# Altium PCB NURIP.PcbDoc (part 3 of 14) (continued)
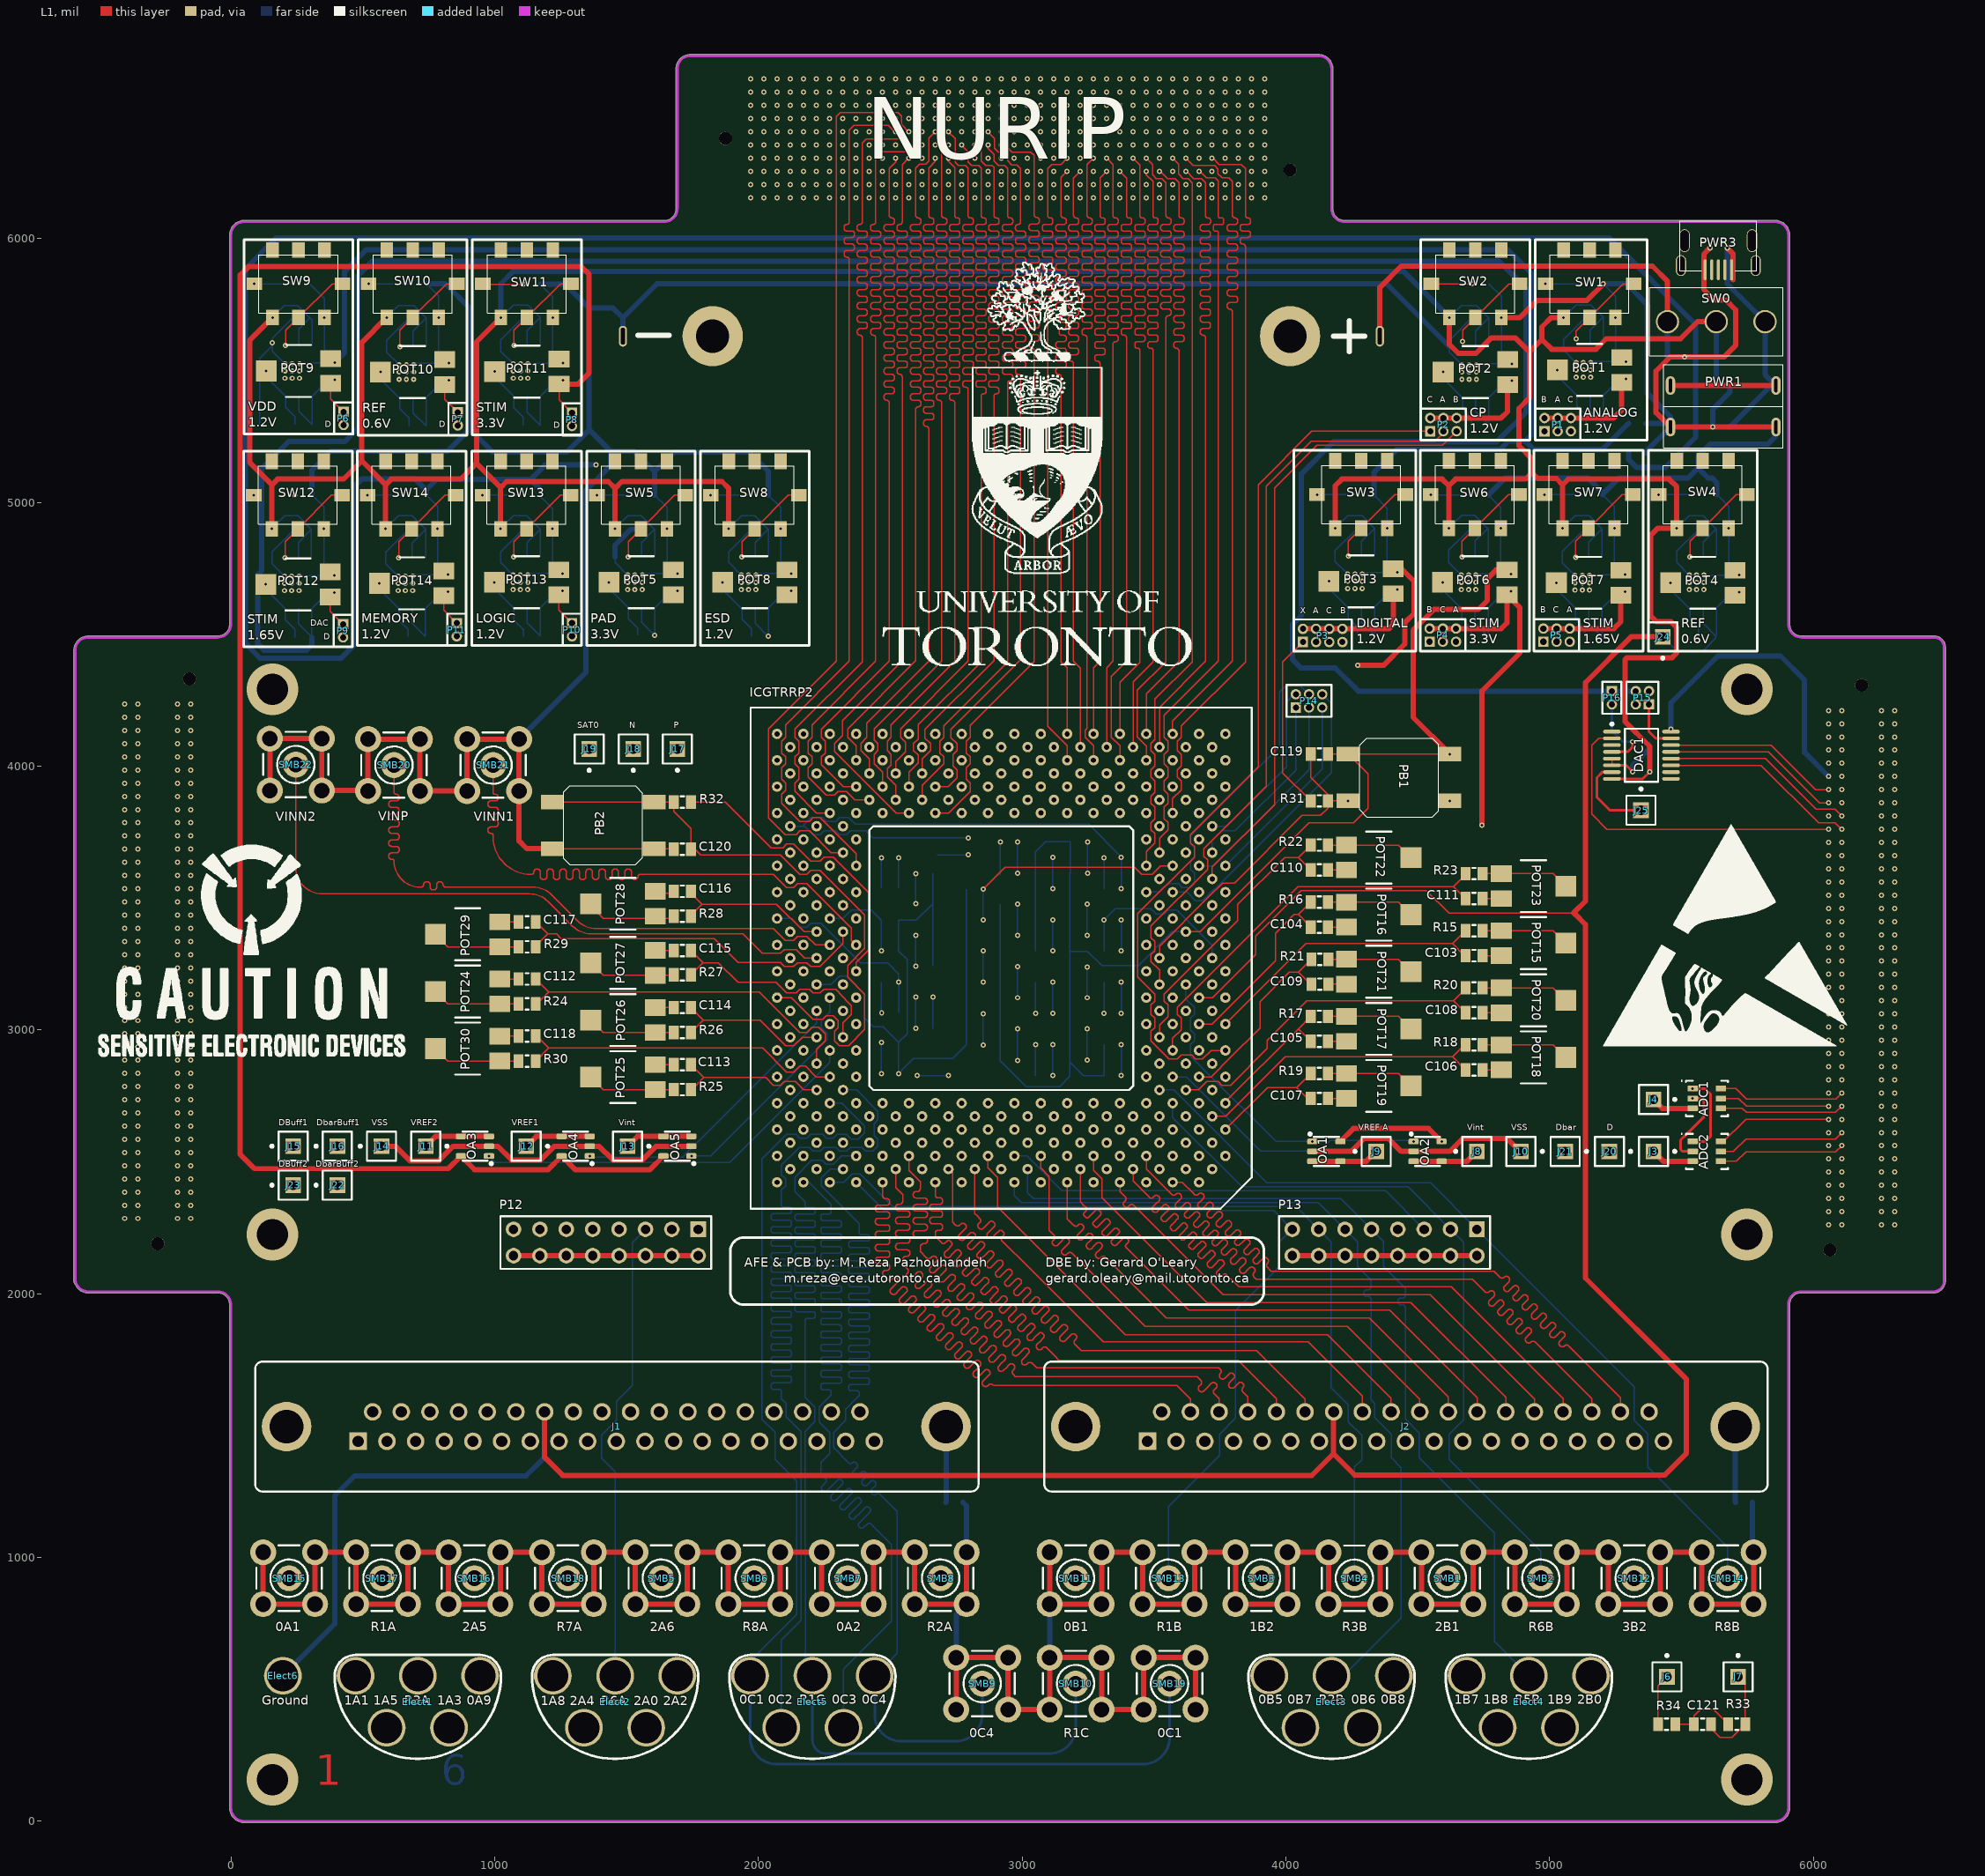
[diagram p0: L1 view]
## Nets (pads, with @x,y where several pads share a name; then routed paths per layer and width w, separated by ;. In a path a pad name is that pad's centre, name@x,y a point inside that pad or via, vN(x,y) a via of type N, cw(c..) or ccw(c..) an arc to the next point about the centre after c; other vN are vias at no path point) (continued)
0C3: Elect5.2 ICGTRRP2.A33 | length 4890.2
  L6 w5: ICGTRRP2.A33@2170.71,2422.2 2191.97,2422.2 2275.59,2338.58 2275.59,2326.24 2275.59,2310.19 cw(c2266.95,2310.19) 2266.95,2301.56 2244.86,2301.56 ccw(c2244.86,2292.92) 2236.22,2292.92 2236.22,2285.51 ccw(c2244.86,2285.51) 2244.86,2276.87 2275.59,2276.87 2306.32,2276.87 cw(c2306.32,2268.23) 2314.96,2268.23 2314.96,2260.82 cw(c2306.32,2260.82) 2306.32,2252.19 2275.59,2252.19 2244.86,2252.19 ccw(c2244.86,2243.55) 2236.22,2243.55 2236.22,2236.14 ccw(c2244.86,2236.14) 2244.86,2227.5 2275.59,2227.5 2306.32,2227.5 cw(c2306.32,2218.86) 2314.96,2218.86 2314.96,2211.45 cw(c2306.32,2211.45) 2306.32,2202.82 2275.59,2202.82 2244.86,2202.82 ccw(c2244.86,2194.18) 2236.22,2194.18 2236.22,2186.77 ccw(c2244.86,2186.77) 2244.86,2178.13 2275.59,2178.13 2306.32,2178.13 cw(c2306.32,2169.49) 2314.96,2169.49 2314.96,2162.08 cw(c2306.32,2162.08) 2306.32,2153.45 2275.59,2153.45 2244.86,2153.45 ccw(c2244.86,2144.81) 2236.22,2144.81 2236.22,2137.4 ccw(c2244.86,2137.4) 2244.86,2128.76 2275.59,2128.76 2306.32,2128.76 cw(c2306.32,2120.12) 2314.96,2120.12 2314.96,2112.71 cw(c2306.32,2112.71) 2306.32,2104.08 2275.59,2104.08 2244.86,2104.08 ccw(c2244.86,2095.44) 2236.22,2095.44 2236.22,2088.03 ccw(c2244.86,2088.03) 2244.86,2079.39 2275.59,2079.39 2306.32,2079.39 cw(c2306.32,2070.75) 2314.96,2070.75 2314.96,2063.34 cw(c2306.32,2063.34) 2306.32,2054.71 2275.59,2054.71 2244.86,2054.71 ccw(c2244.86,2046.07) 2236.22,2046.07 2236.22,2038.66 ccw(c2244.86,2038.66) 2244.86,2030.02 2275.59,2030.02 2306.32,2030.02 cw(c2306.32,2021.38) 2314.96,2021.38 2314.96,2013.97 cw(c2306.32,2013.97) 2306.32,2005.34 2275.59,2005.34 2244.86,2005.34 ccw(c2244.86,1996.7) 2236.22,1996.7 2236.22,1989.29 ccw(c2244.86,1989.29) 2244.86,1980.65 2275.59,1980.65 2306.32,1980.65 cw(c2306.32,1972.01) 2314.96,1972.01 2314.96,1964.6 cw(c2306.32,1964.6) 2306.32,1955.97 2275.59,1955.97 2244.86,1955.97 ccw(c2244.86,1947.33) 2236.22,1947.33 2236.22,1939.92 ccw(c2244.86,1939.92) 2244.86,1931.28 2275.59,1931.28 2306.32,1931.28 cw(c2306.32,1922.64) 2314.96,1922.64 2314.96,1915.23 cw(c2306.32,1915.23) 2306.32,1906.6 2275.59,1906.6 2244.86,1906.6 ccw(c2244.86,1897.96) 2236.22,1897.96 2236.22,1890.55 ccw(c2244.86,1890.55) 2244.86,1881.91 2275.59,1881.91 2306.32,1881.91 cw(c2306.32,1873.27) 2314.96,1873.27 2314.96,1865.86 cw(c2306.32,1865.86) 2306.32,1857.23 2275.59,1857.23 2244.86,1857.23 ccw(c2244.86,1848.59) 2236.22,1848.59 2236.22,1841.18 ccw(c2244.86,1841.18) 2244.86,1832.54 2275.59,1832.54 2306.32,1832.54 cw(c2306.32,1823.9) 2314.96,1823.9 2314.96,1816.49 cw(c2306.32,1816.49) 2306.32,1807.86 2275.59,1807.86 2244.86,1807.86 ccw(c2244.86,1799.22) 2236.22,1799.22 2236.22,1791.81 ccw(c2244.86,1791.81) 2244.86,1783.17 2275.59,1783.17 2306.32,1783.17 cw(c2306.32,1774.53) 2314.96,1774.53 2314.96,1767.12 cw(c2306.32,1767.12) 2306.32,1758.49 2275.59,1758.49 2244.86,1758.49 ccw(c2244.86,1749.85) 2236.22,1749.85 2236.22,1742.44 ccw(c2244.86,1742.44) 2244.86,1733.8 2275.59,1733.8 2306.32,1733.8 cw(c2306.32,1725.16) 2314.96,1725.16 2314.96,1717.75 cw(c2306.32,1717.75) 2306.32,1709.12 2275.59,1709.12 2244.86,1709.12 ccw(c2244.86,1700.48) 2236.22,1700.48 2236.22,1693.07 ccw(c2244.86,1693.07) 2244.86,1684.43 2275.59,1684.43 2306.32,1684.43 cw(c2306.32,1675.79) 2314.96,1675.79 2314.96,1668.38 cw(c2306.32,1668.38) 2306.32,1659.75 2275.59,1659.75 2244.86,1659.75 ccw(c2244.86,1651.11) 2236.22,1651.11 2236.22,1643.7 ccw(c2244.86,1643.7) 2244.86,1635.06 2266.95,1635.06 cw(c2266.95,1626.42) 2275.59,1626.42 2275.59,1615.89 2230.63,1570.93 2230.63,1513.46 2269.98,1474.11 2269.98,1393.7 2236.22,1359.94 2236.22,1316.93 2244.95,1308.2 2254.55,1298.6 cw(c2246.69,1290.75) 2254.55,1282.89 2242.42,1270.76 ccw(c2250.27,1262.91) 2242.42,1255.05 2244.16,1253.31 ccw(c2252.02,1261.16) 2259.87,1253.31 2279.86,1273.29 2299.84,1293.28 cw(c2307.7,1285.42) 2315.55,1293.28 2317.3,1291.53 cw(c2309.44,1283.68) 2317.3,1275.82 2297.31,1255.84 2277.33,1235.85 ccw(c2285.18,1228) 2277.33,1220.14 2279.07,1218.4 ccw(c2286.93,1226.25) 2294.78,1218.4 2314.77,1238.38 2334.75,1258.37 cw(c2342.61,1250.51) 2350.46,1258.37 2352.21,1256.62 cw(c2344.35,1248.77) 2352.21,1240.91 2332.22,1220.93 2312.24,1200.94 ccw(c2320.09,1193.09) 2312.24,1185.23 2313.98,1183.49 ccw(c2321.84,1191.34) 2329.69,1183.49 2349.68,1203.47 2369.66,1223.46 cw(c2377.52,1215.6) 2385.37,1223.46 2387.12,1221.71 cw(c2379.26,1213.86) 2387.12,1206 2367.13,1186.02 2347.15,1166.03 ccw(c2355,1158.18) 2347.15,1150.32 2348.89,1148.58 ccw(c2356.75,1156.43) 2364.6,1148.58 2384.59,1168.56 2404.57,1188.55 cw(c2412.43,1180.69) 2420.28,1188.55 2422.03,1186.8 cw(c2414.17,1178.95) 2422.03,1171.09 2402.04,1151.11 2382.06,1131.12 ccw(c2389.91,1123.27) 2382.06,1115.41 2383.8,1113.67 ccw(c2391.66,1121.52) 2399.51,1113.67 2411.64,1125.8 cw(c2419.5,1117.94) 2427.35,1125.8 2465.55,1087.6 2503.94,1049.21 2503.94,757.87 2322.83,576.77 Elect5.2@2322.83,354.33
0C4: Elect5.1 ICGTRRP2.B30 SMB9.1 | length 4888.6
  L6 w5: ICGTRRP2.B30@2320.71,2472.2 2271.42,2472.2 2238.19,2438.98 2238.19,2409.21 2257.38,2390.02 2257.62,2390.02 2381.89,2265.75 2381.89,2236.22 2381.89,2232.52 ccw(c2390.53,2232.52) 2390.53,2223.88 2412.62,2223.88 cw(c2412.62,2215.24) 2421.26,2215.24 2421.26,2207.83 cw(c2412.62,2207.83) 2412.62,2199.19 2381.89,2199.19 2351.16,2199.19 ccw(c2351.16,2190.55) 2342.52,2190.55 2342.52,2183.15 ccw(c2351.16,2183.15) 2351.16,2174.51 2381.89,2174.51 2412.62,2174.51 cw(c2412.62,2165.87) 2421.26,2165.87 2421.26,2158.46 cw(c2412.62,2158.46) 2412.62,2149.82 2381.89,2149.82 2351.16,2149.82 ccw(c2351.16,2141.18) 2342.52,2141.18 2342.52,2133.78 ccw(c2351.16,2133.78) 2351.16,2125.14 2381.89,2125.14 2412.62,2125.14 cw(c2412.62,2116.5) 2421.26,2116.5 2421.26,2109.09 cw(c2412.62,2109.09) 2412.62,2100.45 2381.89,2100.45 2351.16,2100.45 ccw(c2351.16,2091.81) 2342.52,2091.81 2342.52,2084.41 ccw(c2351.16,2084.41) 2351.16,2075.77 2381.89,2075.77 2412.62,2075.77 cw(c2412.62,2067.13) 2421.26,2067.13 2421.26,2059.72 cw(c2412.62,2059.72) 2412.62,2051.08 2381.89,2051.08 2351.16,2051.08 ccw(c2351.16,2042.44) 2342.52,2042.44 2342.52,2035.04 ccw(c2351.16,2035.04) 2351.16,2026.4 2381.89,2026.4 2412.62,2026.4 cw(c2412.62,2017.76) 2421.26,2017.76 2421.26,2010.35 cw(c2412.62,2010.35) 2412.62,2001.71 2381.89,2001.71 2351.16,2001.71 ccw(c2351.16,1993.07) 2342.52,1993.07 2342.52,1985.67 ccw(c2351.16,1985.67) 2351.16,1977.03 2381.89,1977.03 2412.62,1977.03 cw(c2412.62,1968.39) 2421.26,1968.39 2421.26,1960.98 cw(c2412.62,1960.98) 2412.62,1952.34 2381.89,1952.34 2351.16,1952.34 ccw(c2351.16,1943.7) 2342.52,1943.7 2342.52,1936.3 ccw(c2351.16,1936.3) 2351.16,1927.66 2381.89,1927.66 2412.62,1927.66 cw(c2412.62,1919.02) 2421.26,1919.02 2421.26,1911.61 cw(c2412.62,1911.61) 2412.62,1902.97 2381.89,1902.97 2351.16,1902.97 ccw(c2351.16,1894.33) 2342.52,1894.33 2342.52,1886.93 ccw(c2351.16,1886.93) 2351.16,1878.29 2381.89,1878.29 2412.62,1878.29 cw(c2412.62,1869.65) 2421.26,1869.65 2421.26,1862.24 cw(c2412.62,1862.24) 2412.62,1853.6 2381.89,1853.6 2351.16,1853.6 ccw(c2351.16,1844.96) 2342.52,1844.96 2342.52,1837.56 ccw(c2351.16,1837.56) 2351.16,1828.92 2381.89,1828.92 2412.62,1828.92 cw(c2412.62,1820.28) 2421.26,1820.28 2421.26,1812.87 cw(c2412.62,1812.87) 2412.62,1804.23 2381.89,1804.23 2351.16,1804.23 ccw(c2351.16,1795.59) 2342.52,1795.59 2342.52,1788.19 ccw(c2351.16,1788.19) 2351.16,1779.55 2381.89,1779.55 2412.62,1779.55 cw(c2412.62,1770.91) 2421.26,1770.91 2421.26,1763.5 cw(c2412.62,1763.5) 2412.62,1754.86 2381.89,1754.86 2351.16,1754.86 ccw(c2351.16,1746.22) 2342.52,1746.22 2342.52,1738.82 ccw(c2351.16,1738.82) 2351.16,1730.18 2381.89,1730.18 2412.62,1730.18 cw(c2412.62,1721.54) 2421.26,1721.54 2421.26,1714.13 cw(c2412.62,1714.13) 2412.62,1705.49 2381.89,1705.49 2351.16,1705.49 ccw(c2351.16,1696.85) 2342.52,1696.85 2342.52,1689.45 ccw(c2351.16,1689.45) 2351.16,1680.81 2381.89,1680.81 2412.62,1680.81 cw(c2412.62,1672.17) 2421.26,1672.17 2421.26,1664.76 cw(c2412.62,1664.76) 2412.62,1656.12 2381.89,1656.12 2351.16,1656.12 ccw(c2351.16,1647.48) 2342.52,1647.48 2342.52,1640.08 ccw(c2351.16,1640.08) 2351.16,1631.44 2374.47,1631.44 cw(c2374.47,1624.02) 2381.89,1624.02 2381.89,1613.49 2330.71,1562.31 2330.71,1519.69 2284.98,1473.96 2284.98,1415.81 2340.55,1360.24 2342.34,1358.45 ccw(c2349.28,1365.38) 2356.22,1358.45 cw(c2363.2,1351.46) 2370.18,1358.45 2373.67,1354.96 cw(c2366.69,1347.97) 2373.67,1340.99 2366.73,1334.05 2359.8,1327.12 ccw(c2366.78,1320.13) 2359.8,1313.15 2363.29,1309.66 ccw(c2370.27,1316.64) 2377.25,1309.66 2384.19,1316.6 2391.13,1323.54 cw(c2398.11,1316.55) 2405.09,1323.54 2408.58,1320.05 cw(c2401.6,1313.06) 2408.58,1306.08 2401.64,1299.14 2394.71,1292.21 ccw(c2401.69,1285.22) 2394.71,1278.24 2398.2,1274.75 ccw(c2405.18,1281.73) 2412.16,1274.75 2419.1,1281.69 2426.04,1288.63 cw(c2433.02,1281.64) 2440,1288.63 2443.49,1285.14 cw(c2436.51,1278.15) 2443.49,1271.17 2436.55,1264.23 2429.62,1257.3 ccw(c2436.6,1250.31) 2429.62,1243.33 2433.11,1239.84 ccw(c2440.09,1246.82) 2447.07,1239.84 cw(c2454.01,1232.9) 2460.95,1239.84 2525.59,1175.2 2525.59,635.83 Elect5.1@2440.94,551.18
  L6 w10: Elect5.1@2440.94,551.18 2440.94,403.15 ccw(c2540.94,403.15) 2540.94,303.15 2748.43,303.15 ccw(c2748.43,403.15) 2848.43,403.15 SMB9.1@2848.43,521.65
0p6: C75.1 C76.1 ICGTRRP2.T30 P7.2 | length 3584.3
  L2 w5: P7.2@860.24,5291.34 1122.05,5291.34 1206.69,5375.98 1328.74,5375.98 1358.27,5346.46 1358.27,4686.36 2402.89,3641.73 2402.89,3308.87 2320.71,3226.69 ICGTRRP2.T30@2320.71,3172.2
  L3 w5: ICGTRRP2.T30@2320.71,3172.2 2320.71,3124.17 2466.54,2978.35 v1(2466.54,2952.76)
  L6 w5: v1(2466.54,2834.65) v1(2466.54,2952.76)
1A0: ICGTRRP2.E11 J1.15 | length 2698.7
  L3 w5: J1.15@2004.65,1440.16 2004.65,1605.04 2125.24,1725.63 2747.28,1725.63 2905.51,1883.86 2921.55,1899.89 cw(c2927.61,1893.83) 2933.68,1899.89 ccw(c2941.53,1907.75) 2949.39,1899.89 2951.13,1901.64 ccw(c2943.28,1909.49) 2951.13,1917.35 2945.07,1923.41 2939,1929.48 cw(c2946.86,1937.33) 2939,1945.19 2940.75,1946.93 cw(c2948.6,1939.08) 2956.46,1946.93 2962.52,1940.87 2968.59,1934.8 ccw(c2976.44,1942.66) 2984.3,1934.8 2986.04,1936.55 ccw(c2978.19,1944.4) 2986.04,1952.26 2979.98,1958.32 2973.91,1964.39 cw(c2981.77,1972.24) 2973.91,1980.1 2975.66,1981.84 cw(c2983.51,1973.99) 2991.37,1981.84 2997.43,1975.78 3003.5,1969.71 ccw(c3011.35,1977.57) 3019.21,1969.71 3020.95,1971.46 ccw(c3013.1,1979.31) 3020.95,1987.17 3014.89,1993.23 3008.82,1999.3 cw(c3016.68,2007.15) 3008.82,2015.01 3010.57,2016.75 cw(c3018.42,2008.9) 3026.28,2016.75 3032.34,2010.69 3038.41,2004.62 ccw(c3046.26,2012.48) 3054.12,2004.62 3055.86,2006.37 ccw(c3048.01,2014.22) 3055.86,2022.08 3049.8,2028.14 3043.73,2034.21 cw(c3051.59,2042.06) 3043.73,2049.92 3045.48,2051.66 cw(c3053.33,2043.81) 3061.19,2051.66 3067.25,2045.6 3073.32,2039.53 ccw(c3081.17,2047.39) 3089.03,2039.53 3090.77,2041.28 ccw(c3082.92,2049.13) 3090.77,2056.99 3084.71,2063.05 3078.64,2069.12 cw(c3086.5,2076.97) 3078.64,2084.83 3080.39,2086.57 cw(c3088.24,2078.72) 3096.1,2086.57 3102.16,2080.51 3108.23,2074.44 ccw(c3116.08,2082.3) 3123.94,2074.44 3125.68,2076.19 ccw(c3117.83,2084.04) 3125.68,2091.9 3119.62,2097.96 3113.55,2104.03 cw(c3121.41,2111.88) 3113.55,2119.74 3115.3,2121.48 cw(c3123.15,2113.63) 3131.01,2121.48 3137.07,2115.42 3143.14,2109.35 ccw(c3150.99,2117.21) 3158.85,2109.35 3160.59,2111.1 ccw(c3152.74,2118.95) 3160.59,2126.81 3154.53,2132.87 3148.46,2138.94 cw(c3156.32,2146.79) 3148.46,2154.65 3150.21,2156.39 cw(c3158.06,2148.54) 3165.92,2156.39 3171.98,2150.33 3178.05,2144.26 ccw(c3185.9,2152.12) 3193.76,2144.26 3195.5,2146.01 ccw(c3187.65,2153.86) 3195.5,2161.72 3189.44,2167.78 3183.37,2173.85 cw(c3191.23,2181.7) 3183.37,2189.56 3185.12,2191.3 cw(c3192.97,2183.45) 3200.83,2191.3 3206.89,2185.24 3212.96,2179.17 ccw(c3220.81,2187.03) 3228.67,2179.17 3230.41,2180.92 ccw(c3222.56,2188.77) 3230.41,2196.63 3224.35,2202.69 3218.28,2208.76 cw(c3226.14,2216.61) 3218.28,2224.47 3220.03,2226.21 cw(c3227.88,2218.36) 3235.74,2226.21 3241.8,2220.15 3247.87,2214.08 ccw(c3255.72,2221.94) 3263.58,2214.08 3265.32,2215.83 ccw(c3257.47,2223.68) 3265.32,2231.54 3259.26,2237.6 3253.19,2243.67 cw(c3261.05,2251.52) 3253.19,2259.38 3254.94,2261.12 cw(c3262.79,2253.27) 3270.65,2261.12 ccw(c3276.71,2267.19) 3282.78,2261.12 3294.17,2272.51 3302.89,2281.24 3302.89,2435.54 3288.52,2449.91 3288.52,2494.5 3302.89,2508.87 3302.89,2535.54 3270.71,2567.72 ICGTRRP2.E11@3270.71,2622.2
1A1: Elect1.3 ICGTRRP2.G23 J1.21 | length 3815.6
  L4 w5: J1.21@645.89,1551.97 645.89,1614.39 1118.11,2086.61 1942.91,2086.61 2202.89,2346.59 2202.89,2444.5 2188.52,2458.87 2188.52,2494.5 2453.86,2759.84 2633.07,2759.84 ICGTRRP2.G23@2670.71,2722.2
  L5 w5: Elect1.3@472.44,551.18 472.44,685.04 401.57,755.91 401.57,1133.86 645.89,1378.17 J1.21@645.89,1551.97
1A2: ICGTRRP2.F12 J1.33 | length 2701.5
  L4 w5: J1.33@1950.3,1551.97 1950.3,1605.81 2088.58,1744.09 2716.54,1744.09 2750,1777.56 2822.27,1849.83 cw(c2828.33,1843.76) 2834.4,1849.83 ccw(c2842.25,1857.69) 2850.1,1849.83 2851.85,1851.58 ccw(c2843.99,1859.43) 2851.85,1867.29 2845.79,1873.35 2839.73,1879.4 cw(c2847.58,1887.26) 2839.73,1895.11 2841.48,1896.86 cw(c2849.33,1889) 2857.18,1896.86 2863.24,1890.8 2869.3,1884.74 ccw(c2877.15,1892.6) 2885.01,1884.74 2886.76,1886.49 ccw(c2878.9,1894.34) 2886.76,1902.2 2880.7,1908.26 2874.64,1914.31 cw(c2882.49,1922.17) 2874.64,1930.02 2876.39,1931.77 cw(c2884.24,1923.91) 2892.09,1931.77 2898.15,1925.71 2904.21,1919.65 ccw(c2912.06,1927.51) 2919.92,1919.65 2921.67,1921.4 ccw(c2913.81,1929.25) 2921.67,1937.11 2915.61,1943.17 2909.55,1949.22 cw(c2917.4,1957.08) 2909.55,1964.93 2911.3,1966.68 cw(c2919.15,1958.82) 2927,1966.68 2933.06,1960.62 2939.12,1954.56 ccw(c2946.97,1962.42) 2954.83,1954.56 2956.57,1956.31 ; 2956.57,1956.31 ccw(c2948.72,1964.16) 2956.57,1972.02 ; 2956.57,1972.02 2950.52,1978.08 2944.46,1984.13 cw(c2952.31,1991.99) 2944.46,1999.84 2946.21,2001.59 cw(c2954.06,1993.73) 2961.91,2001.59 2967.97,1995.53 2974.03,1989.47 ccw(c2981.88,1997.33) 2989.74,1989.47 2991.48,1991.22 ccw(c2983.63,1999.07) 2991.48,2006.93 2985.43,2012.99 2979.37,2019.04 cw(c2987.22,2026.9) 2979.37,2034.75 2981.11,2036.5 cw(c2988.97,2028.64) 2996.82,2036.5 3002.88,2030.44 3008.94,2024.38 ccw(c3016.79,2032.24) 3024.65,2024.38 3026.39,2026.13 ccw(c3018.54,2033.98) 3026.39,2041.84 3020.34,2047.9 3014.28,2053.95 cw(c3022.13,2061.81) 3014.28,2069.66 3016.02,2071.41 cw(c3023.88,2063.55) 3031.73,2071.41 3037.79,2065.35 3043.85,2059.29 ccw(c3051.7,2067.15) 3059.56,2059.29 3061.3,2061.04 ccw(c3053.45,2068.89) 3061.3,2076.75 3055.25,2082.81 3049.19,2088.86 cw(c3057.04,2096.72) 3049.19,2104.57 3050.93,2106.32 cw(c3058.79,2098.46) 3066.64,2106.32 3072.7,2100.26 3078.76,2094.2 ccw(c3086.61,2102.06) 3094.47,2094.2 3096.21,2095.95 ccw(c3088.36,2103.8) 3096.21,2111.66 3090.16,2117.72 3084.1,2123.77 cw(c3091.95,2131.63) 3084.1,2139.48 3085.84,2141.23 cw(c3093.7,2133.37) 3101.55,2141.23 3107.61,2135.17 3113.67,2129.11 ccw(c3121.52,2136.97) 3129.38,2129.11 3131.12,2130.86 ccw(c3123.27,2138.71) 3131.12,2146.57 3125.07,2152.63 3119.01,2158.68 cw(c3126.86,2166.54) 3119.01,2174.39 3120.75,2176.14 cw(c3128.61,2168.28) 3136.46,2176.14 3142.52,2170.08 3148.58,2164.02 ccw(c3156.43,2171.88) 3164.29,2164.02 3166.03,2165.77 ccw(c3158.18,2173.62) 3166.03,2181.48 3159.98,2187.54 3153.92,2193.59 cw(c3161.77,2201.45) 3153.92,2209.3 3155.66,2211.05 cw(c3163.52,2203.19) 3171.37,2211.05 3177.43,2204.99 3183.49,2198.93 ccw(c3191.34,2206.79) 3199.2,2198.93 3200.94,2200.68 ccw(c3193.09,2208.53) 3200.94,2216.39 3194.89,2222.45 3188.82,2228.51 cw(c3196.68,2236.36) 3188.82,2244.22 3190.57,2245.97 cw(c3198.42,2238.11) 3206.28,2245.96 ccw(c3212.34,2252.03) 3218.41,2245.96 3229.8,2257.36 3238.52,2266.08 3238.52,2444.5 3252.89,2458.87 3252.89,2494.5 3238.52,2508.87 3238.52,2544.5 3252.89,2558.87 3252.89,2585.54 3220.71,2617.72 ICGTRRP2.F12@3220.71,2672.2
1A3: Elect1.2 ICGTRRP2.E23 J1.25 | length 3815.5
  L4 w5: J1.25@1080.69,1551.97 1080.69,1612.18 1433.07,1964.57 2190.94,1964.57 2331.69,2105.31 2413.55,2187.17 ccw(c2407.49,2193.24) 2413.55,2199.3 cw(c2421.41,2207.16) 2413.55,2215.01 2415.3,2216.76 cw(c2423.15,2208.9) 2431.01,2216.76 2437.07,2210.69 2443.14,2204.63 ccw(c2450.99,2212.48) 2458.85,2204.63 2460.59,2206.37 ccw(c2452.74,2214.23) 2460.59,2222.08 2454.53,2228.15 2448.46,2234.21 cw(c2456.32,2242.07) 2448.46,2249.92 2450.21,2251.67 cw(c2458.06,2243.81) 2465.92,2251.67 2471.98,2245.6 2478.05,2239.54 ccw(c2485.9,2247.39) 2493.76,2239.54 2495.5,2241.28 ccw(c2487.65,2249.14) 2495.5,2256.99 2489.44,2263.06 2483.37,2269.12 cw(c2491.23,2276.98) 2483.37,2284.83 2485.12,2286.58 cw(c2492.97,2278.72) 2500.83,2286.58 2506.89,2280.51 2512.96,2274.45 ccw(c2520.81,2282.3) 2528.67,2274.45 2530.41,2276.19 ccw(c2522.56,2284.05) 2530.41,2291.9 2524.35,2297.97 2518.28,2304.03 cw(c2526.14,2311.89) 2518.28,2319.74 2520.03,2321.49 cw(c2527.88,2313.63) 2535.74,2321.49 2541.8,2315.42 2547.87,2309.36 ccw(c2555.72,2317.21) 2563.58,2309.36 2565.32,2311.1 ccw(c2557.47,2318.96) 2565.32,2326.81 2559.26,2332.88 2553.19,2338.94 cw(c2561.05,2346.8) 2553.19,2354.65 2554.94,2356.4 cw(c2562.79,2348.54) 2570.65,2356.4 ccw(c2576.71,2362.46) 2582.78,2356.4 2594.17,2367.79 2602.89,2376.52 2602.89,2444.5 2588.52,2458.87 2588.52,2494.5 2670.71,2576.69 ICGTRRP2.E23@2670.71,2622.2
  L5 w5: Elect1.2@826.77,354.33 826.77,610.24 885.83,669.29 996.06,669.29 1083.37,756.59 1083.37,1549.3 J1.25@1080.69,1551.97
1A4: ICGTRRP2.D12 J1.14 | length 2701.6
  L3 w5: J1.14@1895.94,1440.16 1895.94,1606.57 2045,1755.63 2678.86,1755.63 2820.87,1897.64 2847.26,1924.03 ccw(c2841.2,1930.1) 2847.26,1936.16 2847.31,1936.12 cw(c2855.16,1943.97) 2847.31,1951.82 2849.06,1953.57 cw(c2856.91,1945.72) 2864.77,1953.57 2870.78,1947.55 2876.8,1941.54 ccw(c2884.65,1949.39) 2892.51,1941.54 2894.25,1943.28 ccw(c2886.4,1951.14) 2894.25,1958.99 2888.24,1965.01 2882.22,1971.03 cw(c2890.07,1978.88) 2882.22,1986.73 2883.97,1988.48 cw(c2891.82,1980.63) 2899.67,1988.48 2905.69,1982.46 2911.71,1976.45 ccw(c2919.56,1984.3) 2927.42,1976.45 2929.16,1978.19 ccw(c2921.31,1986.05) 2929.16,1993.9 2923.15,1999.92 2917.13,2005.94 cw(c2924.98,2013.79) 2917.13,2021.64 2918.88,2023.39 cw(c2926.73,2015.54) 2934.58,2023.39 2940.6,2017.37 2946.62,2011.36 ccw(c2954.47,2019.21) 2962.33,2011.36 2964.07,2013.1 ccw(c2956.22,2020.96) 2964.07,2028.81 2958.06,2034.83 2952.04,2040.85 cw(c2959.89,2048.7) 2952.04,2056.55 2953.79,2058.3 cw(c2961.64,2050.45) 2969.49,2058.3 2975.51,2052.28 2981.53,2046.27 ccw(c2989.38,2054.12) 2997.24,2046.27 2998.98,2048.01 ccw(c2991.13,2055.87) 2998.98,2063.72 2992.97,2069.74 2986.95,2075.75 cw(c2994.8,2083.61) 2986.95,2091.46 2988.7,2093.21 cw(c2996.55,2085.36) 3004.4,2093.21 3010.42,2087.19 3016.44,2081.18 ccw(c3024.29,2089.03) 3032.15,2081.18 3033.89,2082.92 ccw(c3026.04,2090.78) 3033.89,2098.63 3027.88,2104.65 3021.86,2110.66 cw(c3029.71,2118.52) 3021.86,2126.37 3023.61,2128.12 cw(c3031.46,2120.26) 3039.31,2128.12 3045.33,2122.1 3051.35,2116.09 ccw(c3059.2,2123.94) 3067.06,2116.09 3068.8,2117.83 ccw(c3060.95,2125.69) 3068.8,2133.54 3062.79,2139.56 3056.77,2145.57 cw(c3064.62,2153.43) 3056.77,2161.28 3058.52,2163.03 cw(c3066.37,2155.17) 3074.22,2163.03 3080.24,2157.01 3086.26,2151 ccw(c3094.11,2158.85) 3101.97,2151 3103.71,2152.74 ccw(c3095.86,2160.6) 3103.71,2168.45 3097.7,2174.47 3091.68,2180.48 cw(c3099.53,2188.34) 3091.68,2196.19 3093.42,2197.94 cw(c3101.28,2190.08) 3109.13,2197.94 3115.15,2191.92 3121.17,2185.91 ccw(c3129.02,2193.76) 3136.88,2185.91 3138.62,2187.65 ccw(c3130.77,2195.51) 3138.62,2203.36 3132.61,2209.38 3126.59,2215.39 cw(c3134.44,2223.25) 3126.59,2231.1 3128.33,2232.85 cw(c3136.19,2224.99) 3144.04,2232.85 3150.06,2226.83 3156.08,2220.82 ccw(c3163.93,2228.67) 3171.79,2220.82 3173.53,2222.56 ccw(c3165.68,2230.42) 3173.53,2238.27 3167.52,2244.29 3161.5,2250.3 cw(c3169.35,2258.16) 3161.5,2266.01 3163.24,2267.76 cw(c3171.1,2259.9) 3178.95,2267.76 3184.97,2261.74 3190.99,2255.73 ccw(c3198.84,2263.58) 3206.7,2255.73 3208.44,2257.47 ccw(c3200.59,2265.33) 3208.44,2273.18 3202.43,2279.2 3196.36,2285.26 cw(c3204.22,2293.12) 3196.36,2300.97 3198.11,2302.72 cw(c3205.96,2294.86) 3213.82,2302.72 ccw(c3219.88,2308.78) 3225.95,2302.72 3237.34,2314.11 3246.06,2322.83 3246.06,2401.33 3238.52,2408.87 3238.52,2444.5 3252.89,2458.87 3252.89,2485.54 3220.71,2517.72 ICGTRRP2.D12@3220.71,2572.2
1A5: Elect1.4 ICGTRRP2.E25 J1.24 | length 3807.6
  L4 w5: J1.24@971.99,1551.97 971.99,1607.81 1360.24,1996.06 2116.14,1996.06 2116.14,1998.64 2174.89,2057.39 2301.5,2184 cw(c2307.61,2177.89) 2313.72,2184 2315.42,2182.3 ccw(c2321.53,2188.4) 2327.64,2182.29 2332.88,2187.53 ccw(c2326.77,2193.64) 2332.88,2199.75 2325.07,2207.56 2317.26,2215.37 cw(c2323.37,2221.48) 2317.26,2227.59 2322.49,2232.83 cw(c2328.6,2226.72) 2334.71,2232.83 2342.52,2225.01 2350.33,2217.2 ccw(c2356.44,2223.31) 2362.55,2217.2 2367.79,2222.44 ccw(c2361.68,2228.55) 2367.79,2234.66 2359.98,2242.47 2352.17,2250.28 cw(c2358.28,2256.39) 2352.17,2262.5 2357.4,2267.74 cw(c2363.51,2261.63) 2369.62,2267.73 2377.43,2259.92 2385.24,2252.11 ccw(c2391.35,2258.22) 2397.46,2252.11 2402.7,2257.35 ccw(c2396.59,2263.46) 2402.7,2269.57 2394.89,2277.38 2387.08,2285.19 cw(c2393.19,2291.3) 2387.08,2297.41 2392.31,2302.64 cw(c2398.42,2296.54) 2404.53,2302.64 2406.23,2300.94 ccw(c2412.34,2307.05) 2418.45,2300.94 2429.8,2312.29 2438.52,2321.02 2438.52,2435.54 2570.71,2567.72 ICGTRRP2.E25@2570.71,2622.2
  L5 w5: Elect1.4@590.55,354.33 687.01,354.33 797.24,464.57 797.24,712.6 753.94,755.91 753.94,1159.45 971.99,1377.5 J1.24@971.99,1551.97
1A6: ICGTRRP2.D8 J1.16 | length 2698.7
  L3 w5: J1.16@2113.35,1440.16 2113.35,1605.47 2203.5,1695.63 2819.65,1695.63 2992.13,1868.11 cw(c2992.7,1867.53) 2993.28,1868.11 2998.77,1862.62 ccw(c3006.62,1870.48) 3014.48,1862.62 3016.22,1864.37 ccw(c3008.37,1872.22) 3016.22,1880.08 3010.16,1886.14 3004.09,1892.21 cw(c3011.95,1900.06) 3004.09,1907.92 3005.84,1909.66 cw(c3013.69,1901.81) 3021.55,1909.66 3027.61,1903.6 3033.68,1897.53 ccw(c3041.53,1905.39) 3049.39,1897.53 3051.13,1899.28 ccw(c3043.28,1907.13) 3051.13,1914.99 3045.07,1921.05 3039,1927.12 cw(c3046.86,1934.97) 3039,1942.83 3040.75,1944.57 cw(c3048.6,1936.72) 3056.46,1944.57 3062.52,1938.51 3068.59,1932.44 ccw(c3076.44,1940.3) 3084.3,1932.44 3086.04,1934.19 ccw(c3078.19,1942.04) 3086.04,1949.9 3079.98,1955.96 3073.91,1962.03 cw(c3081.77,1969.88) 3073.91,1977.74 3075.66,1979.48 cw(c3083.51,1971.63) 3091.37,1979.48 3097.43,1973.42 3103.5,1967.35 ccw(c3111.35,1975.21) 3119.21,1967.35 3120.95,1969.1 ccw(c3113.1,1976.95) 3120.95,1984.81 3114.89,1990.87 3108.82,1996.94 cw(c3116.68,2004.79) 3108.82,2012.65 3110.57,2014.39 cw(c3118.42,2006.54) 3126.28,2014.39 3132.34,2008.33 3138.41,2002.26 ccw(c3146.26,2010.12) 3154.12,2002.26 3155.86,2004.01 ccw(c3148.01,2011.86) 3155.86,2019.72 3149.8,2025.78 3143.73,2031.85 cw(c3151.59,2039.7) 3143.73,2047.56 3145.48,2049.3 cw(c3153.33,2041.45) 3161.19,2049.3 3167.25,2043.24 3173.32,2037.17 ccw(c3181.17,2045.03) 3189.03,2037.17 3190.77,2038.92 ccw(c3182.92,2046.77) 3190.77,2054.63 3184.71,2060.69 3178.64,2066.76 cw(c3186.5,2074.61) 3178.64,2082.47 3180.39,2084.21 cw(c3188.24,2076.36) 3196.1,2084.21 3202.16,2078.15 3208.23,2072.08 ccw(c3216.08,2079.94) 3223.94,2072.08 3225.68,2073.83 ccw(c3217.83,2081.68) 3225.68,2089.54 3219.62,2095.6 3213.55,2101.67 cw(c3221.41,2109.52) 3213.55,2117.38 3215.3,2119.12 cw(c3223.15,2111.27) 3231.01,2119.12 3237.07,2113.06 3243.14,2106.99 ccw(c3250.99,2114.85) 3258.85,2106.99 3260.59,2108.74 ccw(c3252.74,2116.59) 3260.59,2124.45 3254.53,2130.51 3248.46,2136.58 cw(c3256.32,2144.43) 3248.46,2152.29 3250.21,2154.03 cw(c3258.06,2146.18) 3265.92,2154.03 3271.98,2147.97 3278.05,2141.9 ccw(c3285.9,2149.76) 3293.76,2141.9 3295.5,2143.65 ccw(c3287.65,2151.5) 3295.5,2159.36 3289.44,2165.42 3283.37,2171.49 cw(c3291.23,2179.34) 3283.37,2187.19 3285.12,2188.94 cw(c3292.97,2181.09) 3300.83,2188.94 3306.89,2182.88 3312.96,2176.81 ccw(c3320.81,2184.67) 3328.67,2176.81 3330.41,2178.56 ccw(c3322.56,2186.41) 3330.41,2194.27 3324.35,2200.33 3318.28,2206.4 cw(c3326.14,2214.25) 3318.28,2222.1 3320.03,2223.85 cw(c3327.88,2216) 3335.74,2223.85 3341.8,2217.79 3347.87,2211.72 ccw(c3355.72,2219.58) 3363.58,2211.72 3365.32,2213.47 ccw(c3357.47,2221.32) 3365.32,2229.18 3359.26,2235.24 3353.19,2241.31 cw(c3361.05,2249.16) 3353.19,2257.01 3354.94,2258.76 cw(c3362.79,2250.91) 3370.65,2258.76 ccw(c3376.71,2264.82) 3382.78,2258.76 3394.17,2270.15 3402.89,2278.88 3402.89,2435.54 3388.52,2449.91 3388.52,2485.54 3420.71,2517.72 ICGTRRP2.D8@3420.71,2572.2
1A7: ICGTRRP2.G21 J1.2 | length 3019.6
  L3 w5: J1.2@591.54,1440.16 591.54,1611.22 1080.94,2100.63 1972.68,2100.63 2234.25,2362.2 2234.25,2440.23 2252.89,2458.87 2252.89,2485.54 2238.52,2499.91 2238.52,2544.5 2252.89,2558.87 2252.89,2594.5 2238.52,2608.87 2238.52,2635.54 2357.38,2754.39 2384.04,2754.39 2384.49,2753.94 2456.92,2753.94 2457.38,2754.39 2484.04,2754.39 2484.49,2753.94 2556.92,2753.94 2557.38,2754.39 2584.04,2754.39 2584.49,2753.94 2656.92,2753.94 2657.38,2754.39 2688.52,2754.39 2720.71,2722.2 ICGTRRP2.G21@2770.71,2722.2